# Altium PCB MB1605.PcbDoc (part 7 of 11)
Units mm, origin at the board's own origin, x right, y up, seen from the top; angles counter-clockwise.
Board outline 100 x 79.6 mm, 6 copper layers (Top Layer, Signal Layer 1, Signal Layer 2, Signal Layer 3, Signal Layer 4, Bottom Layer), stack 1.549 mm thick; 644 components, 529 nets, 2853 pads, 1462 vias.
Unrouted connection lines stored in the file: 2.
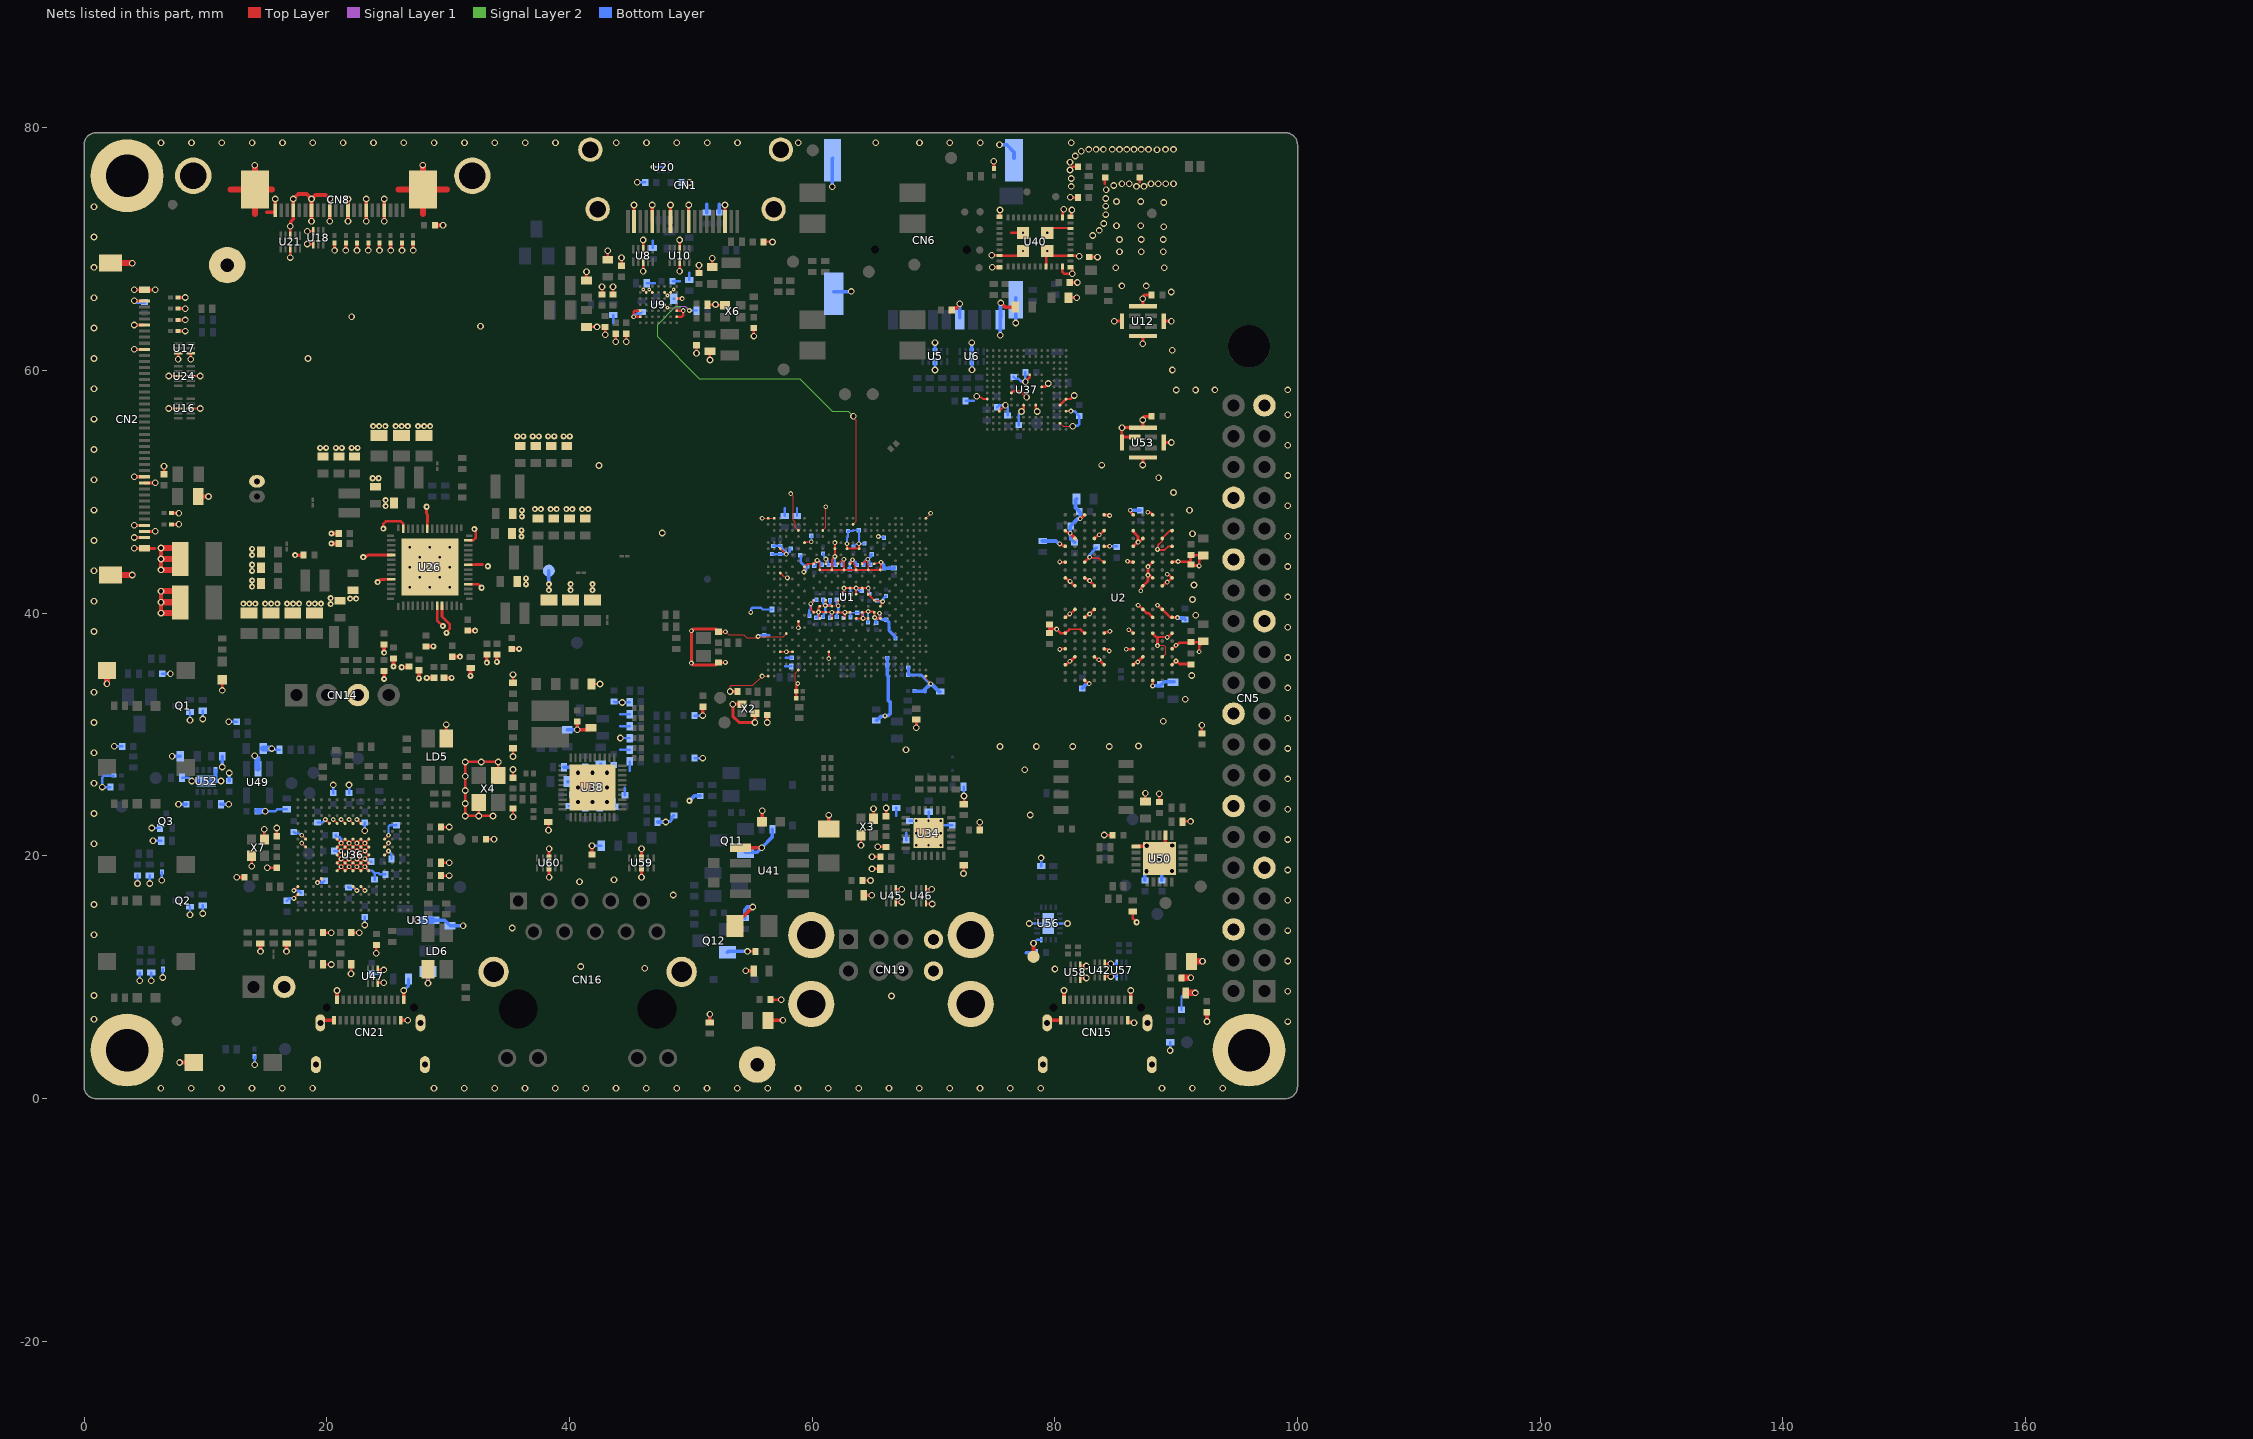
[diagram p11: the nets of this part, all layers, seen from the top]

## Via types
v1: diameter 0.55, hole 0.35, Top Layer to Bottom Layer, 823 vias
v2: diameter 0.4, hole 0.2, Top Layer to Bottom Layer, 235 vias
v3: diameter 0.4, hole 0.2, Top Layer to Bottom Layer, tented both sides, 216 vias
v4: diameter 0.5, hole 0.2, Top Layer to Bottom Layer, 159 vias
v5: diameter 0.25/0.3 (per signal layer), hole 0.1, Top Layer to Signal Layer 1, tented both sides, 29 vias

## Nets (pads, with @x,y where several pads share a name; then routed paths per layer and width w, separated by ;. In a path a pad name is that pad's centre, name@x,y a point inside that pad or via, vN(x,y) a via of type N, cw(c..) or ccw(c..) an arc to the next point about the centre after c; other vN are vias at no path point) (continued)
GND: B1.2 B2.1 C1.1 C2.1 C3.1 C4.2 C5.2 C6.2 C7.2 C8.2 C9.1 C10.1 C11.1 C12.2 C13.2 C14.2 C15.2 C16.2 C17.2 C18.2 C19.2 C20.2 C21.2 C22.1 C23.1 C24.1 C25.1 C26.1 C27.1 C28.1 C29.1 C30.1 C31.2 C32.1 C33.1 C34.1 C35.1 C36.1 C37.1 C38.1 C39.1 C40.1 C41.1 C42.2 C43.1 C44.2 C45.1 C46.1 C47.2 C48.1 C49.1 C50.1 C51.1 C52.1 C53.1 C54.1 C55.1 C56.1 C57.1 C58.1 C59.1 C60.1 C61.1 C62.2 C63.1 C64.1 C65.2 C66.1 C67.1 C68.1 C69.1 C70.2 C71.1 C72.1 C73.2 C74.1 C75.1 C76.1 C77.2 C78.2 C79.2 C80.2 C81.2 C82.1 C83.1 C84.1 C85.1 C86.2 C87.1 C88.1 C89.1 C90.1 C91.2 C92.2 C93.1 C96.2 C97.2 C98.2 C99.2 C101.1 C102.2 C103.1 C104.1 C105.2 C106.2 C107.2 C108.1 C109.1 C110.1 C111.1 C113.1 C114.1 C115.1 C116.1 C117.1 C118.1 C119.1 C120.1 C122.1 C123.1 C125.1 C126.1 C127.1 C128.1 C129.1 C130.1 C131.1 C132.1 C133.1 C134.1 C135.1 C136.1 C137.1 C139.1 C140.2 C141.1 C143.1 C145.1 C146.1 C147.2 C148.1 C149.1 C150.1 C151.1 C152.1 C155.1 C156.1 C157.2 C158.2 C159.1 C160.1 C161.1 C162.1 C163.1 C164.2 C165.1 C166.1 C167.1 C168.1 C169.1 C170.1 C171.1 C172.1 C173.1 C174.1 C175.1 C176.1 C177.1 C179.1 C180.1 C181.1 C182.1 C183.1 C184.1 C185.1 C186.1 C187.1 C188.1 C189.1 C190.2 C192.1 C193.1 C194.1 C195.1 C196.1 C197.1 C198.1 C199.1 C200.1 C201.1 C202.1 C203.1 C204.1 C205.1 C206.1 C207.1 C208.2 C209.1 C213.1 C214.2 C215.2 C216.1 C217.2 C218.1 C219.1 C220.1 C222.1 C223.1 C224.1 C225.1 C226.1 C227.1 C228.2 C229.2 C232.2 C233.1 C234.1 C235.1 C236.1 C237.1 C238.1 C239.1 C240.1 C244.1 C246.1 C248.1 C250.1 C251.1 C252.1 C253.1 C260.1 C280.2 C281.2 C282.2 C288.1 C289.2 C290.2 C295.1 C296.1 C297.2 C298.2 C299.2 C302.1 C303.2 C306.1 C309.1 C310.2 C311.2 C314.1 C317.1 C322.1 C323.1 C324.2 C325.2 C326.2 C327.2 C328.2 C329.2 C332.1 C333.2 C334.2 C335.2 CN1.2 CN1.5 CN1.8 CN1.11 CN1.17 CN1.20 CN1.21 CN1.22 CN1.23 CN2.1 CN2.5 CN2.9 CN2.30 CN2.31 CN2.38 CN2.39 CN2.40 CN2.41 CN2.42 CN2.43 CN2.44 CN5.6 CN5.9 CN5.14 CN5.20 CN5.25 CN5.30 CN5.34 CN5.39 CN6.6 CN6.9 CN6.11 CN6.12 CN6.13 CN6.14 CN8.1 CN8.4 CN8.7 CN8.10 CN8.13 CN8.16 CN8.19 CN8.S1 CN8.S2 CN12.2 CN14.3 CN15.A1 CN15.A12 CN15.B1 CN15.B12 CN15.SH1 CN15.SH2 CN15.SH3 CN15.SH4 CN16.15 CN16.16 CN19.B4 CN19.CH1 CN19.CH2 CN19.CH3 CN19.CH4 CN19.T4 CN21.A1 CN21.A12 CN21.B1 CN21.B12 CN21.SH1 CN21.SH2 CN21.SH3 CN21.SH4 JP3.2 LD4.2 LD5.3 LD6.3 LD11.2 pad.1@3.55,4 pad.1@3.55,76.05 pad.1@9,76.05 pad.1@32,76.05 pad.1@96,4 Q1.2 Q2.2 Q3.2 Q11.2 Q12.2 R1.1 R5.1 R6.2 R7.2 R15.2 R16.1 R17.1 R18.1 R23.2 R25.2 R26.1 R41.1 R42.1 R57.1 R97.1 R98.1 R99.1 R102.1 R106.1 R113.1 R128.1 R135.1 R137.1 R140.2 R141.1 R143.1 R151.2 R158.1 R194.2 R199.2 R200.1 R205.2 R213.2 R215.2 R220.1 R221.2 R222.2 R226.1 R229.1 R231.2 R234.1 R239.1 R242.2 R250.2 R251.2 R292.1 R293.1 R303.1 R304.1 R305.1 R322.1 R323.1 R324.1 R327.1 TP8.1 TP30.1 TP34.1 TP2000.1 U1.1A1 U1.1A3 U1.1A5 U1.1A7 U1.1A9 U1.1A11 U1.1B2 U1.1B4 U1.1B6 U1.1B8 U1.1B10 U1.1B12 U1.1E7 U1.1E9 U1.1F6 U1.1F8 U1.1F10 U1.1G1 U1.1G3 U1.1G5 U1.1G11 U1.1H2 U1.1H4 U1.1H12 U1.1J1 U1.1J3 U1.1J5 U1.1J7 U1.1J9 U1.1J11 U1.1K2 U1.1K4 U1.1K6 U1.1K8 U1.1K10 U1.1K12 U1.A1 U1.A2 U1.A27 U1.AC3 U1.AC5 U1.AC11 U1.AF6 U1.AG1 U1.AG27 U1.C6 U1.C10 U1.E7 U1.F3 U1.F12 U1.F14 U1.F16 U1.J7 U1.K3 U1.V6 U1.Y4 U2.A3 U2.A10 U2.AB3 U2.AB5 U2.AB8 U2.AB10 U2.C1 U2.C5 U2.C8 U2.C12 U2.D2 U2.D4 U2.D9 U2.D11 U2.E1 U2.E5 U2.E8 U2.E12 U2.G1 U2.G3 U2.G5 U2.G8 U2.G10 U2.G12 U2.J1 U2.J3 U2.J10 U2.J12 U2.K2 U2.K4 U2.K9 U2.K11 U2.N2 U2.N4 U2.N9 U2.N11 U2.P1 U2.P3 U2.P10 U2.P12 U2.T1 U2.T3 U2.T5 U2.T8 U2.T10 U2.T12 U2.V1 U2.V5 U2.V8 U2.V12 U2.W2 U2.W4 U2.W9 U2.W11 U2.Y1 U2.Y5 U2.Y8 U2.Y12 U3.2 U4.2 U5.3 U5.8 U6.3 U6.8 U7.2 U8.3 U8.8 U9.B2 U9.B3 U9.B5 U9.B6 U9.C7 U9.E1 U9.E7 U9.F1 U9.F7 U10.3 U10.8 U11.2 U12.5 U13.2 U14.2 U15.2 U16.3 U16.8 U17.3 U17.4 U18.3 U18.4 U19.2 U20.B2 U20.C2 U21.3 U21.8 U22.2 U23.2 U24.3 U24.8 U25.2 U26.9 U26.10 U26.18 U26.22 U26.27 U26.36 U26.41 U26.47 U26.52 U26.57 U27.2 U28.2 U29.2 U31.2 U32.2 U33.2 U34.25 U35.2 U36.D5 U36.D6 U36.D7 U36.D8 U36.D9 U36.F2 U36.F6 U36.F7 U36.F8 U36.F9 U36.F10 U36.F12 U36.G2 U36.G6 U36.G7 U36.G8 U36.G9 U36.G10 U36.G12 U36.H6 U36.H7 U36.H8 U36.H9 U36.H10 U36.H12 U36.J6 U36.J7 U36.J8 U36.J9 U36.J10 U36.K6 U36.K7 U36.K8 U36.K9 U36.K10 U36.L4 U36.M1 U36.M8 U36.M9 U36.N1 U37.A6 U37.C4 U37.E7 U37.G5 U37.H10 U37.J5 U37.K8 U37.N2 U37.N5 U37.P4 U37.P6 U38.41 U39.2 U40.1 U40.12 U40.19 U40.21 U40.29 U40.32 U40.33 U40.35 U40.40 U40.42 U40.43 U40.44 U40.45 U40.46 U41.1 U42.3 U42.4 U43.2 U44.2 U45.3 U45.4 U46.3 U46.4 U47.3 U47.4 U48.2 U49.2 U50.12 U50.16 U50.21 U51.2 U52.8 U52.9 U53.2 U53.5 U54.2 U56.3 U56.12 U56.18 U56.19 U57.3 U57.4 U58.3 U58.4 U59.3 U59.8 U60.3 U60.8 X2.2 X2.4 X3.2 X3.4 X4.2 X4.4 X6.2 X7.2 X7.4 | length 597.6
  Top Layer w0.09: v2(55.55,38.085) 55.565,38.07 56.266,38.07 56.271,38.075 57.612,38.075 57.862,38.325 U1.Y4@57.875,38.325 ; U1.A1@56.375,47.825 U1.A2@56.875,47.825 ; 58.445,48.418 58.445,47.647 58.625,47.467 58.625,47.075 U1.C6@58.875,46.825 ; v2(58.816,34.213) 58.625,34.404 58.625,35.05 58.875,35.3 U1.AF6@58.875,35.325 ; U1.C10@60.875,46.825 61.125,47.075 v2(61.125,48.775) ; U37.N2@80.425,55.655 80.675,55.405 v1(81.475,55.405) ; U2.T10@82.459,44.194 U2.T10@82.459,44.206 ; v2@82.859,44.607 82.859,44.619 v2@82.937,44.619 ; v2@86.859,40.669 86.872,40.669 v2@86.884,40.669 ; U2.K4@87.234,40.319 U2.K4@87.259,40.319 ; v2@88.459,37.344 88.467,37.352 88.976,37.352 89.145,37.183 89.145,36.68 U2.D2@88.859,36.394
  Top Layer w0.1: v2(52.85,38.475) 52.882,38.475 53.114,38.244 54.372,38.244 54.622,37.994 55.458,37.994 v2(55.55,38.085) ; v1(53.242,33.546) 53.242,33.945 53.355,34.058 55.108,34.058 v3(55.875,34.825) U1.AG1@56.375,34.825 ; v3(55.875,47.825) U1.A1@56.375,47.825 ; v2(58.24,49.865) 58.445,49.66 58.445,48.418 ; U1.AG27@69.37,34.82 69.37,34.64 69.768,34.241 v2(69.768,34.197) ; U1.A27@69.375,47.825 69.762,48.213 v3(69.762,48.238) ; v2(83.66,46.465) 83.685,46.465 v2@83.723,46.503 ; U2.Y8@84.035,46.815 U2.Y8@84.06,46.815 ; U2.V8@84.06,45.515 84.064,45.519 U2.V8@84.084,45.519 ; v2@84.505,45.519 v2(84.509,45.523)
  Top Layer w0.125: v2@82.974,44.57 83.12,44.57 83.144,44.545 83.616,44.545 83.835,44.326 83.9,44.326 84.018,44.208 U2.T8@84.018,44.194
  Top Layer w0.13: v5(46.086,66.685) U9.B2@46.336,66.435 ; v5(46.586,66.685) U9.B3@46.836,66.435 ; U9.B5@47.836,66.435 v5(48.086,66.185) ; U9.B6@48.336,66.435 v5(48.586,66.685)
  Top Layer w0.15: v3(17.29,16.507) U36.N1@17.615,16.832 ; v3(17.29,17.157) U36.M1@17.615,17.482 ; v3(17.94,21.057) U36.G2@18.265,20.732 ; v3(17.94,21.707) U36.F2@18.265,21.382 ; v3(19.24,17.807) U36.L4@19.565,18.132 ; v3(19.89,23.007) U36.D5@20.215,22.682 ; v3(20.54,23.007) U36.D6@20.865,22.682 ; U36.K6@20.865,18.782 v3(21.19,19.107) ; U36.F6@20.865,21.382 v3(21.19,21.057) ; v3(21.19,23.007) U36.D7@21.515,22.682 ; v3(21.84,23.007) U36.D8@22.165,22.682 ; U36.M8@22.165,17.482 v3(22.49,17.157) ; v3(22.49,23.007) U36.D9@22.815,22.682 ; U36.M9@22.815,17.482 v3(23.14,17.157) ; U36.K10@23.465,18.782 v3(23.14,19.107) ; U36.F10@23.465,21.382 v3(23.14,21.057) ; U36.H12@24.765,20.082 v3(25.09,20.407) ; U36.G12@24.765,20.732 v3(25.09,21.057) ; U36.F12@24.765,21.382 v3(25.09,21.707) ; U1.AC3@57.375,36.825 v3(57.875,36.825) U1.AC5@58.375,36.825 ; U1.K3@57.375,43.325 57.643,43.057 v3(57.966,42.92) ; U1.F3@57.375,45.325 v3(57.862,44.875) ; v3(58.868,38.812) 58.875,38.819 U1.V6@58.875,39.325 ; v3@59.325,43.275 59.35,43.3 59.35,43.613 ; v3(59.325,43.4) 59.35,43.613 ; U1.E7@59.375,45.825 v3(59.931,45.892) ; U1.J7@59.388,43.812 U1.J7@59.375,43.825 ; v3@59.862,40.821 v3(59.884,40.766) ; U1.1G1@60.125,41.075 v3(59.884,40.766) ; U1.1K2@60.625,39.575 v3(60.525,40.1) ; U1.1G3@61.125,41.075 v3(61.092,40.638) ; U1.1A3@61.125,44.075 v3(61.132,44.466) ; v3(61.375,36.265) U1.AC11@61.375,36.825 ; U1.1K4@61.625,39.575 v3(61.625,40.089) ; v3(61.875,45.825) U1.F12@61.875,45.325 v3(61.875,44.675) 61.625,44.425 U1.1B4@61.625,43.575 ; U1.1G5@62.125,41.075 v3(62.15,40.625) U1.1H4@61.625,40.575 61.562,40.638 v3(61.092,40.638) ; U1.1A5@62.125,44.075 v3(62.622,44.455) U1.1B6@62.625,43.575 ; U1.1K6@62.625,39.575 v3(62.7,40.075) ; U1.1F6@62.637,41.587 U1.1F6@62.625,41.575 ; v3(62.875,45.725) U1.F14@62.875,45.325 U1.F16@63.875,45.325 v3@63.853,45.725 ; U1.1J7@63.125,40.075 v3(62.7,40.075) ; U1.1A7@63.125,44.075 v3(63.328,44.412) U1.1B8@63.625,43.575 ; U1.1E7@63.137,42.062 U1.1E7@63.125,42.075 ; U1.1K8@63.625,39.575 v3(64.198,39.575) U1.1K10@64.625,39.575 ; U1.1F8@63.625,41.575 v3(63.625,42.075) ; U1.1A9@64.125,44.075 v3(64.586,44.446) U1.1B10@64.625,43.575 ; U1.1A11@65.125,44.075 v3(65.675,44.2) U1.1B12@65.625,43.575 U1.1B10@64.625,43.575 ; U1.1H12@65.625,40.575 v3(65.806,40.972) U1.1G11@65.125,41.075 U1.1F10@64.625,41.575 v3(64.625,42.075) U1.1E9@64.125,42.075 v3(63.625,42.075) ; v1(73.575,57.875) 73.646,57.804 73.911,57.804 74.056,57.66 74.42,57.66 U37.A6@74.425,57.655 ; U37.P4@80.925,56.655 v2(81.325,56.655) ; 81.193,38.681 81.527,38.681 81.531,38.684 81.791,38.684 81.795,38.681 82.106,38.681 ; v2@82.937,44.619 82.937,44.609 82.974,44.572 v2@82.974,44.57 ; U2.T8@84.018,44.194 U2.T8@84.059,44.194 ; 88.348,38.055 88.724,38.055 88.729,38.05 89.228,38.05 v2@89.259,38.019 ; U2.W2@88.859,46.169 88.859,46.196 89.433,46.77 89.562,46.77 U2.Y1@89.608,46.816 ; U2.W2@88.86,46.168 88.843,46.151 88.843,45.957 88.495,45.609 88.495,45.298 88.45,45.253 88.486,45.217 88.711,45.217 88.729,45.2 89.033,45.2 89.334,45.501 U2.V1@89.652,45.501 ; v3(21.19,19.107) U36.J7@21.515,19.432 ; v3(21.19,19.107) U36.J6@20.865,19.432 v3(21.19,19.757) ; v3(21.19,19.107) U36.K7@21.515,18.782 v3(21.84,19.107) ; v3(21.19,19.757) U36.H7@21.515,20.082 ; v3(21.19,19.757) U36.H6@20.865,20.082 v3(21.19,20.407) ; v3(21.19,19.757) U36.J7@21.515,19.432 ; v3(21.19,20.407) U36.G7@21.515,20.732 ; v3(21.19,20.407) U36.G6@20.865,20.732 v3(21.19,21.057) ; v3(21.19,20.407) U36.H7@21.515,20.082 ; v3(21.19,21.057) U36.F7@21.515,21.382 v3(21.84,21.057) ; v3(21.19,21.057) U36.G7@21.515,20.732 ; U36.J7@21.515,19.432 v3(21.84,19.757) ; U36.J7@21.515,19.432 v3(21.84,19.107) ; U36.H7@21.515,20.082 v3(21.84,20.407) ; U36.H7@21.515,20.082 v3(21.84,19.757) ; U36.G7@21.515,20.732 v3(21.84,21.057) ; U36.G7@21.515,20.732 v3(21.84,20.407) ; v3(21.84,19.107) U36.J8@22.165,19.432 ; v3(21.84,19.107) U36.K8@22.165,18.782 v3(22.49,19.107) ; v3(21.84,19.757) U36.H8@22.165,20.082 ; v3(21.84,19.757) U36.J8@22.165,19.432 ; v3(21.84,20.407) U36.G8@22.165,20.732 ; v3(21.84,20.407) U36.H8@22.165,20.082 ; v3(21.84,21.057) U36.F8@22.165,21.382 v3(22.49,21.057) ; v3(21.84,21.057) U36.G8@22.165,20.732 ; U36.J8@22.165,19.432 v3(22.49,19.757) ; U36.J8@22.165,19.432 v3(22.49,19.107) ; U36.H8@22.165,20.082 v3(22.49,20.407) ; U36.H8@22.165,20.082 v3(22.49,19.757) ; U36.G8@22.165,20.732 v3(22.49,21.057) ; U36.G8@22.165,20.732 v3(22.49,20.407) ; v3(22.49,19.107) U36.J9@22.815,19.432 ; v3(22.49,19.107) U36.K9@22.815,18.782 v3(23.14,19.107) ; v3(22.49,19.757) U36.H9@22.815,20.082 ; v3(22.49,19.757) U36.J9@22.815,19.432 ; v3(22.49,20.407) U36.G9@22.815,20.732 ; v3(22.49,20.407) U36.H9@22.815,20.082 ; v3(22.49,21.057) U36.F9@22.815,21.382 v3(23.14,21.057) ; v3(22.49,21.057) U36.G9@22.815,20.732 ; U36.J9@22.815,19.432 v3(23.14,19.757) ; U36.J9@22.815,19.432 v3(23.14,19.107) ; U36.H9@22.815,20.082 v3(23.14,20.407) ; U36.H9@22.815,20.082 v3(23.14,19.757) ; U36.G9@22.815,20.732 v3(23.14,21.057) ; U36.G9@22.815,20.732 v3(23.14,20.407) ; v3(23.14,19.107) U36.J10@23.465,19.432 v3(23.14,19.757) ; v3(23.14,19.757) U36.H10@23.465,20.082 v3(23.14,20.407) ; v3(23.14,20.407) U36.G10@23.465,20.732 v3(23.14,21.057) ; 59.35,43.613 59.35,43.825 U1.J7@59.375,43.825 ; 59.35,43.613 U1.J7@59.375,43.825 ; U1.J7@59.375,43.825 59.625,44.075 U1.1A1@60.125,44.075 60.133,44.075 60.408,44.35 v3(60.408,44.353) 60.625,44.136 U1.1B2@60.625,43.575 U1.1B4@61.625,43.575 ; v3(59.884,40.766) 59.884,40.316 U1.1J1@60.125,40.075 v3(60.525,40.1) ; v3(60.525,40.1) 60.525,40.475 U1.1H2@60.625,40.575 v3(61.092,40.638) ; v3(60.525,40.1) 61.1,40.1 U1.1J3@61.125,40.075 v3(61.625,40.089) ; v3(61.625,40.089) U1.1J5@62.125,40.075 v3(62.7,40.075) ; U1.1B4@61.625,43.575 U1.1B6@62.625,43.575 ; U1.1F6@62.625,41.575 v3(62.625,42.075) ; U1.1F6@62.625,41.575 v3(62.625,42.075) ; v3(62.625,42.075) U1.1E7@63.125,42.075 ; U1.1B6@62.625,43.575 U1.1B8@63.625,43.575 ; U1.1E7@63.125,42.075 v3@63.625,42.075 ; U1.1B8@63.625,43.575 U1.1B10@64.625,43.575
  Top Layer w0.16: v3(64.198,39.575) 64.125,39.648 U1.1J9@64.125,40.075 v3(64.625,40.143) 65.057,40.143 U1.1J11@65.125,40.075 v3(65.15,39.65) 65.225,39.575 U1.1K12@65.625,39.575 v3(65.55,40)
  Top Layer w0.2: C93.1@6.596,51.449 v1(6.596,52.124) ; v1(6.985,56.875) U16.3@7.752,56.875 ; v1(6.985,59.55) U24.3@7.752,59.55 ; v1(7.752,60.926) U17.3@7.752,61.425 ; U16.8@8.802,56.875 v1(9.569,56.875) ; U24.8@8.802,59.55 v1(9.569,59.55) ; v1(8.802,60.926) U17.4@8.802,61.425 ; v1(11.386,33.645) LD11.2@11.386,34.522 ; v1(13.815,19.162) X7.2@13.815,20.007 ; v1(14.86,22.207) 14.86,21.362 X7.4@14.865,21.357 ; v1(15.09,19.032) C140.2@15.885,19.032 ; C133.1@15.885,21.632 v1(15.885,22.307) ; v1(17,69.308) U21.8@17,70.075 ; U21.3@17,71.125 v1(17,71.892) ; v1(18.401,70.425) U18.4@18.9,70.425 ; v1(18.401,71.475) U18.3@18.9,71.475 ; R221.2@19.695,11.057 v1(20.37,11.057) ; C157.2@19.695,13.682 v1(20.37,13.682) ; v1(22,10.287) 22.007,10.295 22.007,11.05 R222.2@22.015,11.057 ; C158.2@22.015,13.682 v1(22.69,13.682) ; v1(24.09,11.982) C160.1@24.09,12.657 ; U47.3@24.2,9.561 v1(24.699,9.561) ; U47.4@24.2,10.611 v1(24.699,10.611) ; v1(28.35,9.519) LD6.3@28.35,10.669 ; C145.1@29.415,18.382 v1(30.09,18.382) ; R194.2@29.415,19.432 v1(30.09,19.432) ; C132.1@29.415,22.382 v1(30.09,22.382) ; LD5.3@29.858,29.675 v1(29.858,30.825) ; U26.27@31.67,46 32.079,46 32.27,46.191 32.27,46.91 v4@32.316,46.956 ; v4(32.17,46.93) v4@32.227,46.873 ; X4.2@32.525,24.425 v1(32.525,23.3) ; C131.1@33.115,21.382 v1(33.79,21.382) ; v1(33.7,23.3) v1(32.525,23.3) ; X4.4@34.125,26.625 v1(34.125,27.75) v1(32.725,27.75) v1(31.425,27.75) v1(31.425,26.575) v1(31.425,25.4) v1(31.425,24.325) v1(31.425,23.3) v1(32.525,23.3) ; v1(35.35,23.225) C223.1@35.35,23.9 ; C222.1@35.35,26.45 v1(35.35,27.125) ; v1(35.35,28.195) R158.1@35.35,28.87 ; R151.2@35.35,34.27 v1(35.35,34.945) ; v1(38.275,22.125) R199.2@38.275,22.8 ; C98.2@41.4,63.599 v1(42.27,63.599) ; C78.2@41.4,67.416 v1(41.4,68.143) ; C111.1@41.82,34.17 v1(42.515,34.17) ; C122.1@42.689,66.256 v1@42.689,66.907 ; v1@42.943,62.948 C139.1@42.943,63.599 ; C79.2@43.164,69.136 v1(43.164,69.863) ; C101.1@43.589,66.256 v1@43.589,66.907 ; v1@43.815,62.384 C125.1@43.815,63.035 ; C102.2@44.3,68.636 v1@44.3,69.287 ; v1@44.676,62.384 C113.1@44.676,63.035 ; v2@45.292,64.43 v2(45.292,64.435) ; U9.F1@45.836,64.435 v2(45.292,64.435) ; U9.E1@45.836,64.935 45.409,64.935 45.292,64.818 v2(45.292,64.435) ; v1(46.072,68.182) U8.8@46.072,68.948 ; U8.3@46.072,69.998 v1(46.072,70.765) ; U9.F7@48.836,64.435 49.263,64.435 49.38,64.552 v2@49.38,64.935 ; U9.E7@48.836,64.935 v2@49.38,64.935 ; U9.C7@48.836,65.935 v2(49.286,65.935) ; v1(49.079,68.182) U10.8@49.079,68.948 ; U10.3@49.079,69.998 v1(49.079,70.765) ; v2(49.38,64.94) v2@49.38,64.935 ; v1@50.471,61.442 C107.2@50.471,62.092 ; C108.1@50.676,68.032 v1@50.676,68.683 ; R26.1@51.376,65.435 v1@52.026,65.435 ; v1(51.579,60.865) C96.2@51.579,61.592 ; C97.2@51.769,68.532 v1(51.769,69.259) ; v1@52.148,65.395 X6.2@52.813,65.395 ; v1(54.67,12.136) C227.1@55.345,12.136 ; v1@55.196,62.844 C182.1@55.196,63.495 ; C179.1@56.003,70.6 v1(56.73,70.6) ; C146.1@56.559,8.16 v1(57.446,8.16) ; C248.1@58.683,33.002 C250.1@58.683,33.572 58.683,34.08 v2(58.816,34.213) ; X3.4@64.018,21.715 64.025,21.708 v1(64.025,20.888) ; C155.1@64.14,17.976 v1(64.815,17.976) ; v1(64.936,18.934) 65.613,18.934 R97.1@65.619,18.927 ; v1(64.94,19.937) 65.616,19.937 C114.1@65.623,19.931 ; v1(65.064,23.889) 65.064,23.069 X3.2@65.068,23.065 X3.2@65.071,23.062 ; v1(65.405,20.758) 66.082,20.758 C119.1@66.088,20.752 ; C1.1@66.088,23.276 66.095,23.282 v1(66.095,23.959) ; U45.3@66.9,16.2 v1(67.375,16.2) ; U45.4@66.9,17.25 v1(67.375,17.25) ; U46.3@69.384,16.2 69.384,16.045 v1(69.889,16.045) ; U46.4@69.384,17.25 v1(69.859,17.25) ; v1(72.477,18.554) 72.477,19.231 R323.1@72.483,19.237 ; R324.1@72.477,24.267 72.521,24.311 v1(72.521,24.948) ; v1(73.816,22.778) 73.819,22.775 C127.1@73.819,22.14 ; v1(74.8,69.5) 74.814,69.486 75.439,69.486 U40.19@75.45,69.475 77,69.475 v4(77.375,69.85) ; v1(74.836,68.523) 74.841,68.518 75.445,68.518 U40.21@75.45,68.513 ; U37.C4@75.425,56.655 75.875,57.105 75.885,57.105 v1(75.925,57.145) ; U40.12@75.45,72.687 75.463,72.7 75.463,73.213 v1(75.475,73.225) ; 76.4,71.35 v4(77.375,71.35) ; U37.E7@76.425,58.155 76.575,58.305 77.17,58.305 v1(77.675,57.8) ; v1(77.25,56.63) 77.25,56.718 77.425,56.893 U37.G5@77.425,57.155 ; v1(77.575,59.08) 77.925,59.43 U37.H10@77.925,59.655 ; U37.J5@78.425,57.155 78.425,56.85 78.55,56.725 v1(78.55,56.63) ; U37.K8@78.925,58.655 79.175,58.655 v1(79.45,58.93) ; U40.29@79.275,68.575 79.275,69.75 v4(79.375,69.85) 79.75,69.475 U40.35@81.3,69.475 81.963,69.475 v1(82.019,69.419) ; v4(79.375,71.35) 79.775,71.75 80.378,71.75 80.772,71.75 81.275,71.75 U40.40@81.3,71.725 ; U37.N5@80.425,57.155 U37.P6@80.925,57.655 81.305,57.655 v1(81.6,57.95) ; U40.32@80.625,68.575 80.625,68.125 80.775,67.975 v1(81.425,67.975) 81.425,68.425 81.338,68.513 U40.33@81.3,68.513 ; U40.1@80.625,72.625 80.65,72.65 80.65,73.13 80.725,73.205 v1(80.725,73.3) ; U2.J12@80.86,39.665 80.914,39.665 81.164,39.915 81.247,39.915 81.648,40.315 U2.K11@81.66,40.315 ; U40.42@81.3,72.687 81.353,72.74 81.353,73.175 v1(81.406,73.228) ; 81.425,76.8 C175.1@81.9,76.8 ; v1@81.475,74.25 C167.1@81.9,74.25 ; U58.3@82.1,9.888 82.1,9.938 v1(82.6,9.938) ; U58.4@82.1,10.938 v1(82.599,10.938) ; v1(84.063,21.723) C168.1@84.738,21.723 ; U42.3@84.1,10.073 v1(84.599,10.073) ; U42.4@84.1,11.123 v1(84.599,11.123) ; 84.125,75.375 84.125,75.875 C174.1@84.15,75.9 ; U53.5@85.525,54.07 85.525,55.282 v1(85.538,55.295) ; R327.1@86.438,15.425 86.438,14.833 v4(86.734,14.536) ; 87,75.5 C176.1@87,75.9 ; C170.1@87.463,24.503 v1(87.463,25.178) ; U50.21@87.613,20.798 U50.21@88.613,19.798 ; C171.1@88.613,24.448 v1(88.613,25.123) ; R231.2@90.513,22.848 v1(91.188,22.848) ; C232.2@92.118,30.09 v1(92.118,30.765)
  Top Layer w0.21: v4(24.675,46.975) 24.675,47.375 24.88,47.58 26.109,47.58 26.3,47.389 U26.41@26.3,46.97 ; 24.775,42.8 U26.52@25.33,42.8 ; 24.775,44.8 U26.47@25.33,44.8 ; U26.36@28.3,46.97 28.3,47.525 ; U26.9@29.1,40.63 29.1,39.42 v4(29.568,38.952) ; U26.10@29.5,40.63 29.5,39.734 30.135,39.099 30.135,38.72 29.87,38.456 v4(29.87,38.377) ; U26.18@31.67,42.4 32.472,42.4 v4(32.772,42.1) ; U26.22@31.67,44 32.225,44
  Top Layer w0.22: C5.2@79.559,38.379 79.559,38.729 ; C13.2@79.559,39.079 79.559,38.729 ; v2@80.151,38.625 v2@80.2,38.625 ; v2(80.4,45.719) 80.527,45.719 80.693,45.554 80.765,45.554 80.788,45.53 80.85,45.53 U2.V12@80.86,45.521 ; v2(80.41,37.025) 80.45,37.065 U2.E12@80.86,37.065 ; v2@80.425,44.215 U2.T12@80.86,44.215 ; U2.G12@80.83,38.38 U2.G12@80.845,38.365 ; U2.G12@80.854,38.356 U2.G12@80.845,38.365 ; U2.P12@80.859,42.894 80.874,42.879 80.949,42.879 81.149,42.679 81.17,42.679 81.293,42.556 81.293,42.535 81.347,42.535 81.637,42.244 U2.N11@81.659,42.244 ; U2.C12@80.86,35.765 80.875,35.78 80.975,35.78 v2(81.24,36.045) 81.288,36.045 U2.D11@81.658,36.415 ; U2.G12@80.86,38.365 U2.G12@80.845,38.365 ; U2.Y12@80.86,46.815 80.882,46.815 81.073,46.623 81.236,46.623 v2(81.271,46.589) ; U2.G12@80.87,38.36 81.19,38.681 81.193,38.681 ; v2(82.085,47.79) 82.113,47.79 82.438,48.115 U2.AB10@82.46,48.115 ; 82.106,38.681 82.378,38.409 82.399,38.409 82.452,38.356 U2.G10@82.456,38.356 ; U2.A10@82.459,34.444 82.465,34.45 82.496,34.45 82.716,34.229 82.799,34.229 v2@82.833,34.195 ; U2.J10@82.459,39.644 82.481,39.644 82.721,39.885 82.825,39.885 82.859,39.919 82.872,39.919 83.247,40.294 U2.K9@83.259,40.294 ; U2.P10@82.459,42.894 82.474,42.879 82.557,42.879 82.842,42.594 v2@82.897,42.594 ; U2.T10@82.459,44.206 v2@82.859,44.606 ; v2(82.86,42.69) 82.859,42.677 83.259,42.277 U2.N9@83.259,42.265 ; U2.W9@83.259,46.144 83.281,46.144 83.571,46.435 83.625,46.435 83.693,46.503 v2@83.723,46.503 ; U2.D9@83.26,36.415 83.5,36.175 v2(83.635,36.175) ; v2@83.641,36.175 U2.C8@84.059,35.756 ; v2@83.747,46.503 v2@83.723,46.503 ; U2.Y8@84.035,46.815 v2@83.723,46.503 ; U2.E8@84.059,37.044 84.074,37.029 84.301,37.029 84.435,36.894 v2@84.484,36.894 ; U2.G8@84.059,38.365 84.081,38.365 84.16,38.444 84.336,38.444 84.372,38.481 84.497,38.481 v2@84.534,38.444 ; U2.AB8@84.06,48.115 84.075,48.1 84.421,48.1 84.466,48.054 v2(84.515,48.054) ; U2.V8@84.072,45.506 U2.V8@84.084,45.519 ; U2.V8@84.088,45.523 U2.V8@84.084,45.519 ; v2@84.505,45.519 U2.V8@84.084,45.519 ; v2@85.885,37.04 85.891,37.046 86.384,37.046 86.388,37.05 86.445,37.05 U2.E5@86.46,37.065 ; v2(85.99,44.285) 86.039,44.285 86.093,44.23 86.445,44.23 U2.T5@86.46,44.215 ; v2(86.085,38.64) 86.118,38.606 86.197,38.606 U2.G5@86.446,38.356 ; v2(86.21,48.489) 86.244,48.455 86.244,48.352 86.46,48.137 U2.AB5@86.46,48.115 ; U2.C5@86.459,35.744 86.461,35.744 86.663,35.946 86.791,35.946 U2.D4@87.26,36.415 ; U2.V5@86.46,45.515 86.482,45.515 86.832,45.865 v2(86.86,45.865) v2@86.86,45.988 ; U2.Y5@86.46,46.815 86.475,46.8 86.475,46.716 86.86,46.331 v2@86.86,45.988 ; v2@86.8,35.946 v2(86.835,35.981) ; v2@86.872,40.669 87.247,40.294 U2.K4@87.259,40.294 ; v2(87.075,41.85) 87.109,41.884 87.109,42.093 U2.N4@87.26,42.243 ; U2.K4@87.259,40.315 87.57,40.004 87.72,40.004 U2.J3@88.059,39.665 ; U2.N4@87.26,42.265 U2.N4@87.26,42.243 ; U2.W4@87.26,46.165 87.083,45.988 v2@86.86,45.988 ; v2(87.661,48.325) 87.695,48.291 87.863,48.291 88.038,48.115 U2.AB3@88.06,48.115 ; v2@87.678,43.153 87.715,43.116 87.838,43.116 88.038,42.915 U2.P3@88.06,42.915 ; v2@88.059,33.994 U2.A3@88.059,34.444 ; U2.G3@88.059,38.344 88.348,38.055 88.459,37.944 v2@88.459,37.344 ; U2.T3@88.06,44.215 88.04,44.215 v2(87.675,43.85) v2(87.675,43.15) 87.675,42.658 U2.N4@87.26,42.243 ; v2@88.459,40.669 88.472,40.669 88.847,40.294 U2.K2@88.859,40.294 ; U2.N2@88.859,42.244 89.15,42.535 89.225,42.535 v2@89.259,42.569 ; U2.K2@88.86,40.315 89.531,39.644 89.659,39.644 v2@90.109,39.644 ; v2@89.259,38.019 89.293,38.053 89.347,38.053 89.637,38.344 U2.G1@89.659,38.344 ; v2@89.259,43.219 89.334,43.219 U2.P1@89.638,42.915 ; v2(89.26,42.565) 89.288,42.565 U2.P1@89.638,42.915 ; U2.C1@89.659,35.744 89.954,36.039 v2@89.954,36.147 ; U2.E1@89.659,37.044 89.672,37.044 89.972,37.344 90.033,37.344 90.258,37.569 C7.2@91.159,37.569 ; U2.P1@89.659,42.894 U2.P1@89.638,42.915 ; U2.T1@89.659,44.194 U2.T1@89.681,44.194 ; U2.T1@89.659,44.244 C14.2@91.184,44.244 ; U2.P1@89.66,42.915 U2.P1@89.638,42.915 ; v2@90.033,36.069 90.033,36.066 90.068,36.031 90.071,36.031 90.283,35.819 C15.2@91.159,35.819 ; C7.2@91.159,37.694 C7.2@91.247,37.606 ; C7.2@91.245,37.606 92.095,37.606 C3.1@92.183,37.519 ; C14.2@91.263,43.939 91.85,43.939 v2(91.884,43.904) 91.899,43.92 91.899,44.36 92.083,44.544 91.833,44.794 91.184,44.794 C14.2@91.184,44.244 ; C14.2@91.264,43.939 91.184,44.019 C14.2@91.184,44.244 ; v2(91.884,36.829) 91.899,36.844 91.899,37.255 92.138,37.494 92.233,37.494 C3.1@92.208,37.519 ; 79.559,38.729 80.121,38.729 v2(80.15,38.7) 80.485,38.365 U2.G12@80.845,38.365